# Altium PCB PCB SOM AM625.PcbDoc (part 3 of 6) (continued)
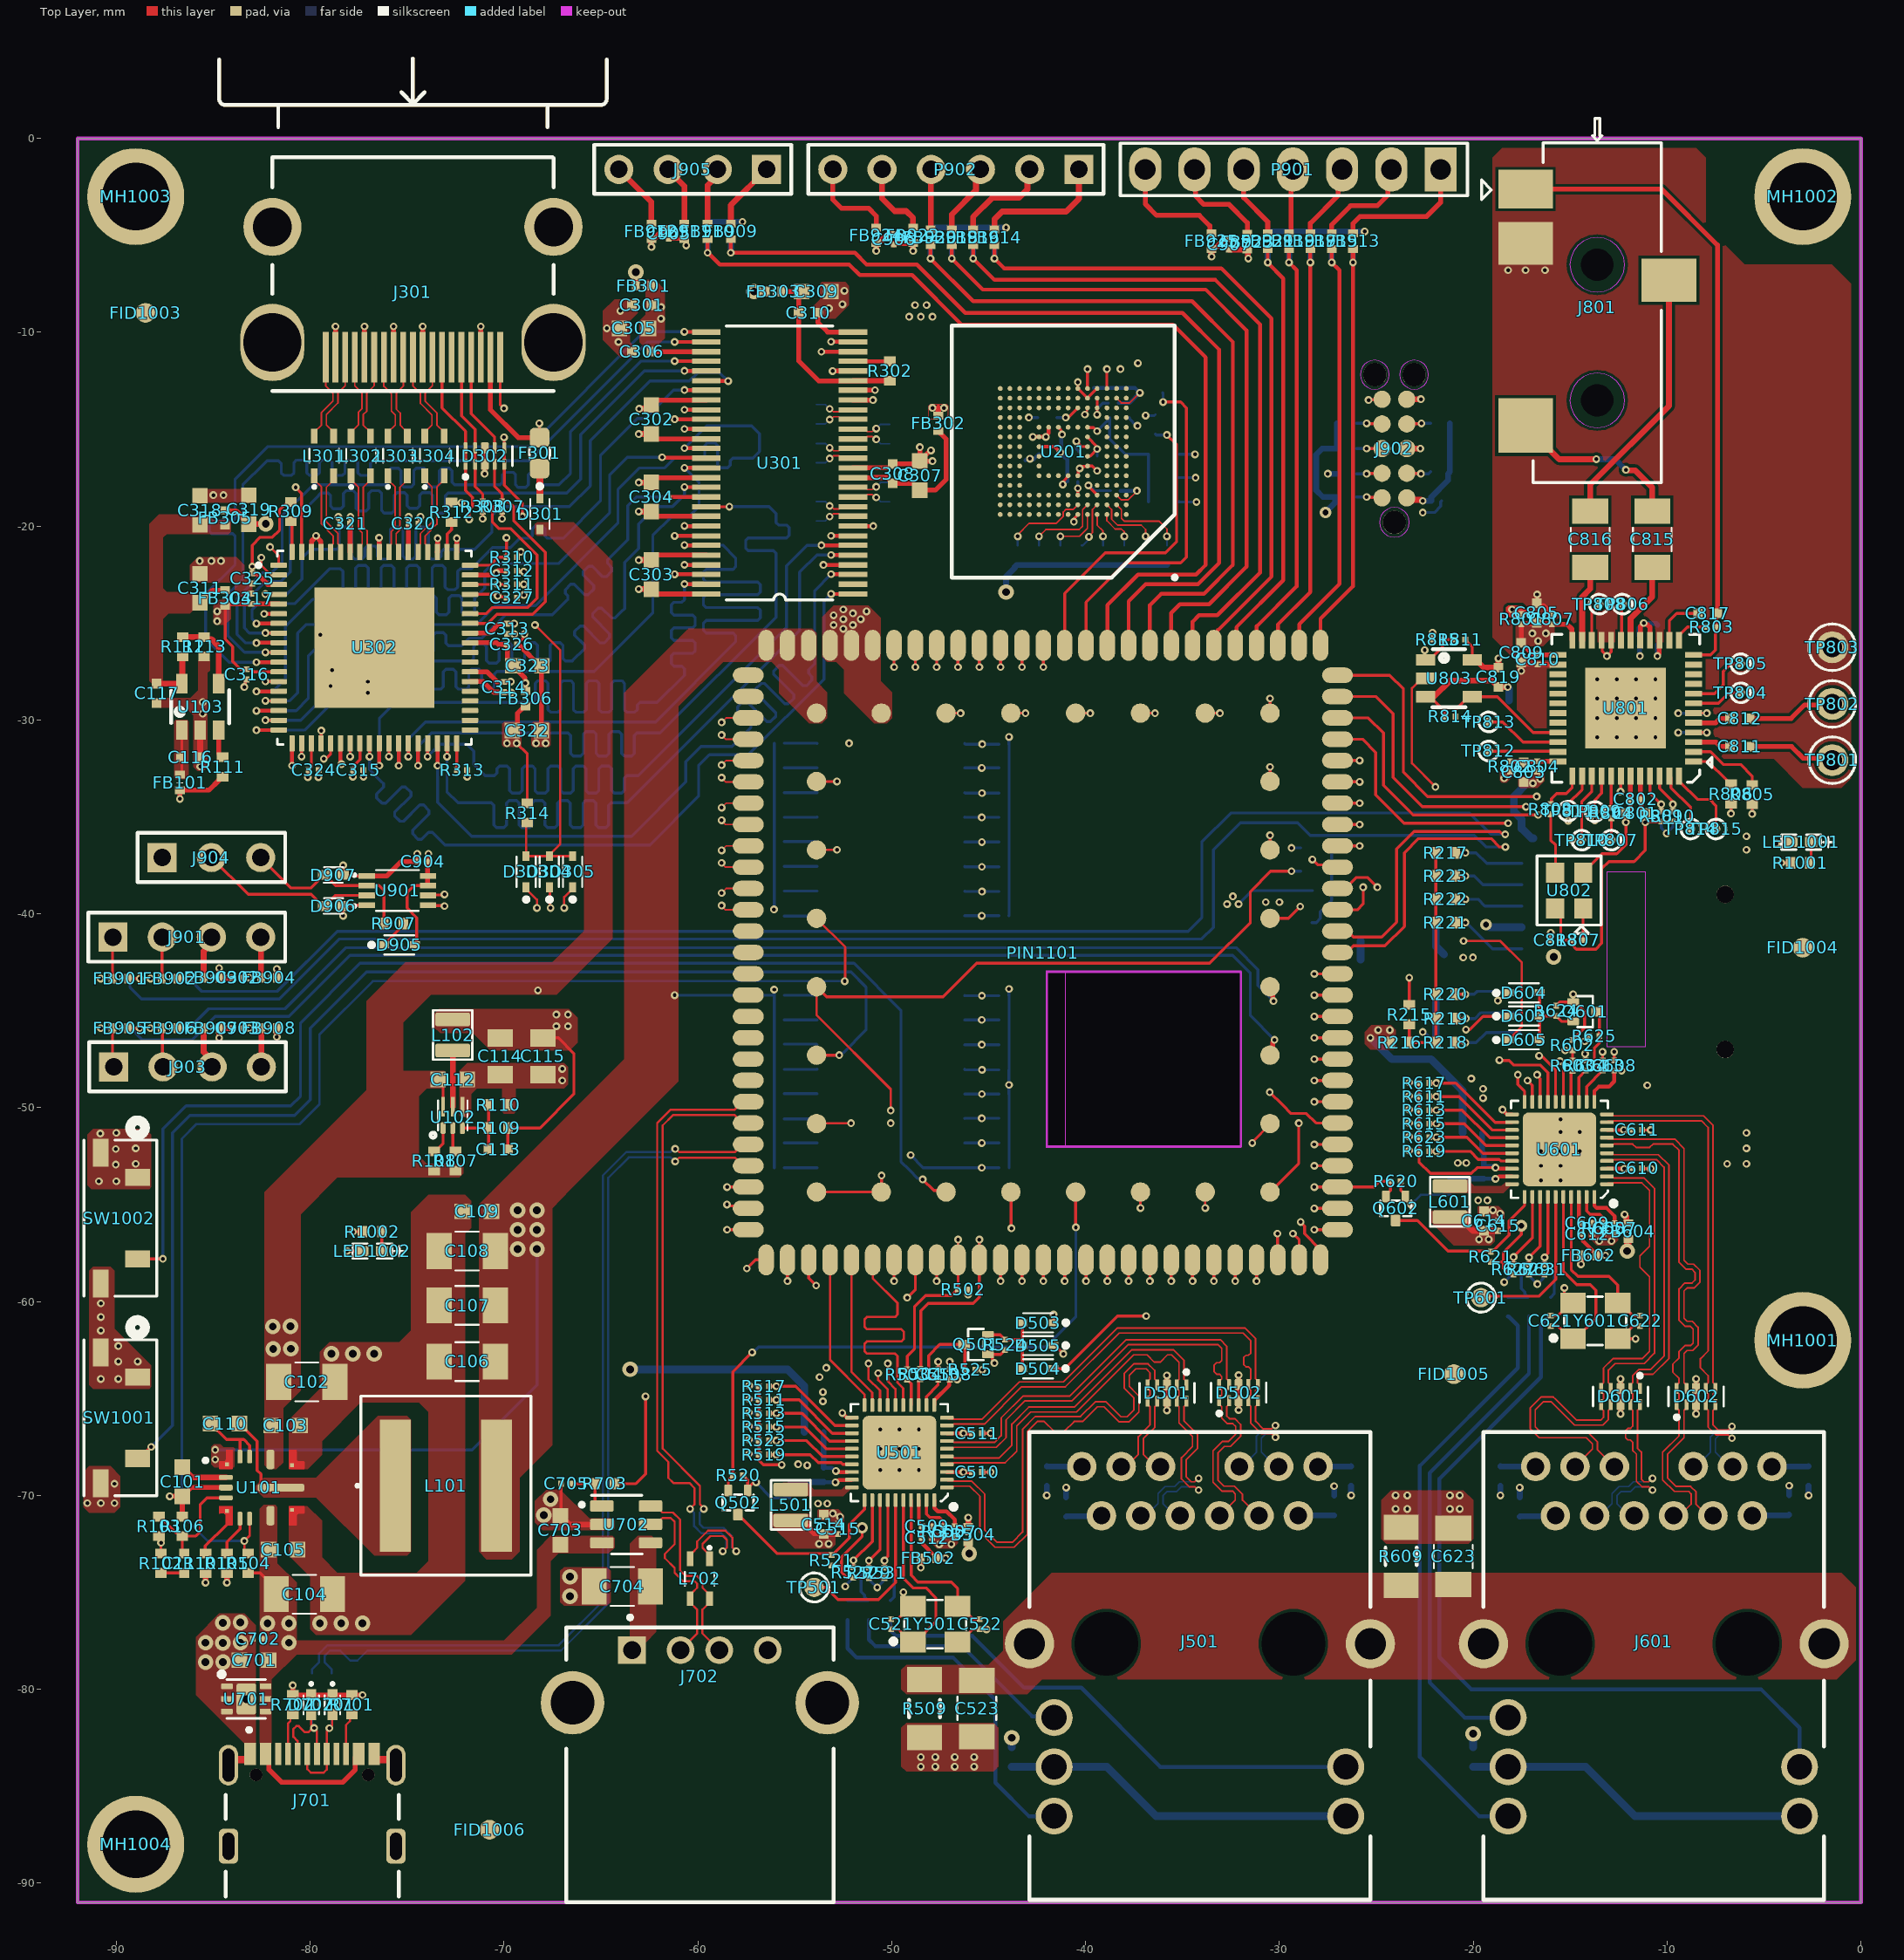
[diagram p0: Top Layer view]
## Nets (pads, with @x,y where several pads share a name; then routed paths per layer and width w, separated by ;. In a path a pad name is that pad's centre, name@x,y a point inside that pad or via, vN(x,y) a via of type N, cw(c..) or ccw(c..) an arc to the next point about the centre after c; other vN are vias at no path point) (continued)
  Top Layer w0.2: v1(-53.521,-22.004) U301.4@-52,-22.004 ; U301.8@-52,-19.997 v1(-50.953,-19.997) v1@-50.95,-20 ; U201.H10@-42.4,-15.9 -41.6,-15.9 v1(-41.3,-16.2)
  Top Layer w0.25: v1(-87.25,-70.05) C101.2@-86.6,-70.05 ; R106.1@-86.6,-71.1 C101.2@-86.6,-70.05 ; U101.3@-84.35,-69.6 -86.15,-69.6 C101.2@-86.6,-70.05 ; v1(-80.9,-79.8) R702.1@-80.9,-80.3 D702.1@-79.95,-80.3 D701.1@-78.85,-80.3 R701.1@-77.85,-80.3 v1(-77.3,-80.3) ; U302.70@-79.939,-21.334 -79.929,-21.324 -79.929,-20.77 v1@-79.7,-20.541 ; v1(-79.7,-20.5) v1@-79.7,-20.541 ; U302.69@-79.439,-21.334 -79.449,-21.324 -79.449,-20.791 v1@-79.7,-20.541 ; J301.2@-78.7,-11.285 v1(-78.7,-9.7) ; J301.5@-77.2,-11.285 v1(-77.2,-9.7) ; U901.1@-77.076,-38.05 -76.05,-38.05 -75.3,-37.3 C904.2@-74.465,-37.3 -74.465,-36.922 v1(-74.48,-36.907) ; v1(-76.45,-20.6) -76.445,-20.605 -76.445,-21.329 U302.63@-76.439,-21.334 ; J301.8@-75.7,-11.285 v1(-75.7,-9.7) ; J301.11@-74.2,-11.285 v1(-74.2,-9.7) ; U302.57@-73.439,-21.334 -73.432,-21.327 -73.432,-20.632 v1(-73.425,-20.625) ; U302.55@-72.439,-21.334 v1(-72.439,-20.627) ; U302.43@-71.754,-27.519 -70.881,-27.519 -70.365,-28.035 C314.2@-69.9,-28.035 ; J301.17@-71.2,-11.285 v1(-71.2,-9.7) ; v1(-71,-17.3) -70.995,-17.295 -70.995,-16.807 D302.3@-70.989,-16.802 D302.8@-70.989,-15.967 ; C314.2@-70,-28.035 -69.995,-28.03 -69.655,-28.03 v1(-69.65,-28.025) ; C313.2@-69.864,-25.579 C313.2@-69.85,-25.565 ; C326.2@-69.335,-26.1 -69.31,-26.125 -69.225,-26.125 -68.075,-27.275 C322.2@-68.075,-30.55 ; C303.2@-62.4,-21.75 -62.146,-21.496 U301.52@-59.569,-21.496 ; C304.2@-62.4,-17.75 -62.158,-17.508 U301.44@-59.569,-17.508 ; C302.2@-62.4,-13.75 -62.145,-13.495 U301.36@-59.569,-13.495 ; C310.2@-53.8,-9 -53.8,-9.5 -53.31,-9.99 U301.28@-52,-9.99 ; v1(-53.05,-12) -53.048,-11.998 -52.002,-11.998 U301.24@-52,-11.996 ; U301.14@-52,-17 -50.156,-17 C308.2@-49.95,-16.794 -48.7,-16.794 C307.2@-48.55,-16.644 ; U301.21@-52,-13.495 v1(-50.97,-13.495) ; U301.22@-52,-12.987 v1(-50.863,-12.987) ; v1(-48.55,-15.925) C307.2@-48.55,-16.644 ; v1(-47.975,-16.1) -48.006,-16.1 C307.2@-48.55,-16.644 ; v1(-47.9,-16.65) -48.544,-16.65 C307.2@-48.55,-16.644 ; v1(-35.8,-65.618) D501.8@-35.8,-65.135 D501.3@-35.8,-64.3 v1(-35.8,-63.817) ; v1(-32.1,-65.6) D502.3@-32.1,-65.117 D502.8@-32.1,-64.283 v1(-32.1,-63.8) v1@-32.1,-63.75 ; v1(-12.4,-65.8) D601.8@-12.4,-65.317 D601.3@-12.4,-64.482 v1(-12.4,-64) v1@-12.4,-63.95 ; v1(-12.125,-35.275) C801.2@-12.125,-34.8 -11.89,-34.565 C802.2@-11.89,-34.1 -11.886,-34.096 -11.886,-32.898 U801.43@-11.881,-32.894 ; v1(-8.5,-65.8) D602.3@-8.5,-65.317 D602.8@-8.5,-64.482 v1(-8.5,-64) v1@-8.5,-63.95
  Top Layer w0.3: C116.2@-85.675,-31.925 U103.2@-85.675,-30.525 ; v1(-84.3,-74.5) R105.1@-84.3,-74 ; C903.2@-83.5,-45.9 v1(-83.15,-45.9) ; C902.2@-83.5,-43.3 v1(-83.15,-43.3) ; v1(-81.725,-46.35) FB908.2@-81.725,-45.9 ; FB904.2@-81.725,-43.3 v1(-81.725,-42.85) ; C703.2@-67.1,-71.05 -66.65,-71.5 U702.2@-64.955,-71.5 ; v1(-63.05,-21.75) C303.2@-62.4,-21.75 ; v1(-63.05,-17.75) C304.2@-62.4,-17.75 ; v1(-63.025,-13.95) -63.006,-13.931 -62.581,-13.931 C302.2@-62.4,-13.75 ; v1(-62.4,-5.6) FB912.2@-62.4,-5.2 -62.35,-5.15 -62.226,-5.15 -61.711,-4.635 C905.2@-61.5,-4.635 ; v1(-50.8,-5.8) FB924.2@-50.8,-5.4 -50.75,-5.35 -50.623,-5.35 -50.208,-4.935 C906.2@-49.9,-4.935 ; v1(-33.5,-6.1) FB925.2@-33.5,-5.7 -33.45,-5.65 -33.29,-5.65 -32.84,-5.2 C907.2@-32.6,-5.2 ; J902.3@-23.43,-16 v1(-22.725,-16) ; J902.5@-23.43,-13.46 -23.425,-13.455 -22.705,-13.455 v1(-22.7,-13.45) ; U803.3@-22.45,-28.8 -22.025,-28.8 -21.2,-27.975 -19.025,-27.975 C819.2@-18.7,-28.3 v1(-18.225,-28.3)
  Top Layer w0.4: J701.S1@-84.22,-83.92 -84.22,-83.91 -83.943,-83.632 -83.2,-83.632 -83.1,-83.532 J701.B12@-83.1,-83.345 ; J701.B1@-76.7,-83.345 -76.7,-83.532 -76.6,-83.632 -75.857,-83.632 -75.58,-83.91 J701.S2@-75.58,-83.92
  Bottom Layer w0.15: v1(-90.81,-43.34) D901.1@-90.3,-43.34 ; v1(-90.8,-45.9) D903.1@-90.3,-45.9 ; v1@-88.285,-43.34 v1(-88.24,-43.34) D902.1@-87.75,-43.34 ; v1(-88.25,-45.9) D904.1@-87.75,-45.9 ; v1(-57.365,-67.86) -57.353,-67.873 -56.878,-67.873 R518.1@-56.86,-67.89 ; v1(-57.365,-67.135) -57.353,-67.148 -56.878,-67.148 R522.1@-56.86,-67.165 ; v1(-57.365,-66.435) -57.353,-66.448 -56.878,-66.448 R514.1@-56.86,-66.465 ; v1(-57.365,-65.735) -57.353,-65.748 -56.878,-65.748 R512.1@-56.86,-65.765 ; v1(-57.365,-65.035) -57.353,-65.048 -56.878,-65.048 R510.1@-56.86,-65.065 ; v1(-57.36,-64.34) -57.348,-64.353 -56.872,-64.353 R516.1@-56.855,-64.37 ; v1(-52.4,-74.7) -52.4,-74.665 -51.985,-74.25 R526.1@-51.975,-74.25 ; R528.1@-51.175,-74.268 -51.1,-74.343 -51.1,-74.4 v1(-50.75,-74.75) -50.45,-74.45 -50.45,-74.343 R530.1@-50.375,-74.268 ; v1(-43.95,-43.875) -43.947,-43.878 -43.947,-44.222 R425.1@-43.945,-44.225 R426.1@-43.945,-45.475 R427.1@-43.945,-46.75 R428.1@-43.945,-48.05 -43.947,-48.053 -43.947,-48.822 v1(-43.95,-48.825) -43.947,-48.828 -43.947,-49.297 R429.1@-43.945,-49.3 R430.1@-43.945,-50.55 R431.1@-43.945,-51.825 R432.1@-43.945,-53.1 ; v1(-43.95,-30.875) -43.947,-30.878 -43.947,-31.247 R417.1@-43.945,-31.25 R418.1@-43.945,-32.475 R419.1@-43.945,-33.775 R420.1@-43.945,-35.025 R421.1@-43.945,-36.3 R422.1@-43.945,-37.575 R423.1@-43.945,-38.85 R424.1@-43.945,-40.1 R424.1@-43.947,-40.103 ; v1(-42.925,-14.4) R212.1@-42.475,-14.4 ; v1(-41.175,-17.85) -41.127,-17.802 -41.042,-17.802 C210.2@-40.94,-17.7 ; v1(-39.852,-17.902) -39.798,-17.902 -39.525,-18.175 C212.2@-38.715,-18.175 ; C201.2@-39.4,-16.385 v1(-39.4,-16.025) ; v1(-23.305,-52.22) -23.293,-52.232 -22.818,-52.232 R618.1@-22.8,-52.25 ; v1(-23.305,-51.495) -23.293,-51.507 -22.818,-51.507 R622.1@-22.8,-51.525 ; v1(-23.305,-50.795) -23.293,-50.808 -22.818,-50.808 R614.1@-22.8,-50.825 ; v1(-23.305,-50.095) -23.293,-50.107 -22.818,-50.107 R612.1@-22.8,-50.125 ; v1(-23.305,-49.395) -23.293,-49.408 -22.818,-49.408 R610.1@-22.8,-49.425 ; v1(-23.3,-48.7) -23.287,-48.712 -22.812,-48.712 R616.1@-22.795,-48.73 ; v1(-22.6,-46.1) -22.552,-46.148 -22.477,-46.148 -21.975,-46.65 D207.1@-21.925,-46.65 ; v1(-22.6,-19.3) -22,-19.3 -21.677,-18.977 -21.677,-18.742 C901.2@-21.635,-18.7 ; D210.1@-21.925,-40.45 D206.1@-21.925,-36.85 ; v1(-18.4,-59) -18.075,-58.675 -17.99,-58.675 R626.1@-17.92,-58.605 ; R628.1@-17.12,-58.623 -17.045,-58.698 -17.045,-58.755 v1(-16.695,-59.105) -16.395,-58.805 -16.395,-58.698 R630.1@-16.32,-58.623 ; R812.1@-10.3,-35.24 -10.3,-35.575 v1(-10.025,-35.85) -9.702,-35.527 -9.702,-35.242 R813.1@-9.7,-35.24
  Bottom Layer w0.2: C205.2@-43.1,-16.6 -43.055,-16.555 -42.679,-16.555 C203.2@-42.407,-16.284 ; v1(-41.215,-15.271) -41.253,-15.309 -41.253,-16.153 v1(-41.3,-16.2) -41.3,-16.25 -41.15,-16.4 -41.115,-16.4 -40.94,-16.575 C202.2@-40.94,-17.025 C210.2@-40.94,-17.7 ; C206.2@-39.575,-12.865 C207.2@-38.9,-12.865 C209.2@-38.15,-12.865 -37.46,-12.865 v1(-37.2,-13.125) -37.725,-13.65 C208.2@-38.295,-13.65
  Bottom Layer w0.3: D909.1@-59.5,-4.3 D908.1@-58.3,-4.3 v1(-57.7,-4.3) ; D913.1@-48,-4.6 D912.1@-46.9,-4.6 D911.1@-45.8,-4.6 D910.1@-44.7,-4.6 v1(-44.1,-4.6) ; v1(-42,-70) C516.2@-42,-69.5 ; C517.2@-41,-70.1 v1(-41,-69.6) ; D918.1@-30.6,-4.8 D917.1@-29.5,-4.8 D916.1@-28.4,-4.8 D915.1@-27.3,-4.8 D914.1@-26.2,-4.8 v1(-25.6,-4.8) ; v1(-27.5,-17.3) R906.1@-27.03,-17.3 ; C518.2@-27.175,-70.025 v1(-27.175,-69.525) ; v1(-26.3,-70) C519.2@-26.3,-69.5 ; v1(-18.6,-70) C616.2@-18.6,-69.5 ; C617.2@-17.6,-70.1 v1(-17.6,-69.6) ; C618.2@-3.7,-70 v1(-3.7,-69.5) ; v1(-2.7,-70) C619.2@-2.7,-69.5
  Bottom Layer w0.4: C520.2@-43.805,-82.995 v2(-43.805,-82.505) ; D207.1@-21.925,-46.65 D209.1@-21.925,-44.15 ; D210.1@-21.925,-40.45 -21.925,-41.675 C215.2@-21.5,-42.1 ; C620.2@-20,-83 v2(-20,-82.3) ; v3(-19.345,-40.557) -19.291,-40.557 -19.148,-40.7 J201.6@-17.5,-40.7 ; v1(-18.225,-28.3) -18.15,-28.375 FB801.2@-18.15,-29 ; v1(-16.922,-33.269) -17.219,-33.269 -17.9,-33.95 -17.9,-34.725 -17.5,-35.125 -17.5,-35.6 -17,-36.1 J201.10@-16.9,-36.1
  other v1: -48.5,-84 -47.75,-84 -46.75,-84 -45.75,-84 -48.5,-83.5 -47.75,-83.5 -46.75,-83.5 -45.75,-83.5 -47.55,-72.525 -46.925,-72.525 -52.665,-71.11 -53.04,-70.935 -24,-70.7 -23.4,-70.7 -21.2,-70.7 -20.7,-70.7 -53.8,-70.425 -53.325,-70.425 -91.5,-70.4 -90.8,-70.4 -90.1,-70.4 -24,-70 -23.4,-70 -21.2,-70 -20.7,-70 -90.1,-69.4 -50.6,-68.7 -49.6,-68.7 -48.6,-68.7 -54.36,-68.454 -54.825,-68.397 -50.6,-67.6 -49.6,-67.6 -48.6,-67.6 -50.6,-66.6 -49.6,-66.6 -48.6,-66.6 -53.55,-65.15 -53.549,-64.673 -90.8,-64 -89.9,-64 -89.9,-63.1 -88.9,-63.1 -89.9,-62.3 -90.8,-61.5 -90.8,-60.8 -90.8,-60.1 -13.495,-56.88 -12.87,-56.88 -18.61,-55.465 -18.985,-55.29 -19.745,-54.78 -19.27,-54.78 -90.9,-53.8 -90,-53.8 -16.5,-53.75 -15.5,-53.75 -16.5,-53 -15.5,-53 -90.031,-52.934 -89,-52.9 -6.9,-52.9 -5.9,-52.9 -20.8,-52.854 -20.356,-52.854 -16.5,-52.25 -15.5,-52.25 -14.5,-52.25 -90.031,-52.134 -89,-52.1 -5.9,-52.1 -90.831,-51.334 -90,-51.3 -5.9,-51.3 -15.5,-51.25 -14.5,-51.25 -15.5,-50.6 -19.495,-49.505 -19.494,-49.028 -67,-48.6 -67,-48 -20.517,-42.254 -20.014,-42.251 -30.7,-39.4 -30,-39.4 -5.9,-36.7 -4.35,-36.375 -5.9,-36 -16.55,-33.039 -85.675,-32.4 -68.35,-31.2 -67.85,-31.2 -85.55,-29.675 -85.55,-29.075 -77.025,-28.6 -78.95,-28.25 -77.025,-28.025 -78.875,-27.425 -79.475,-25.6 -52.5,-25.3 -53,-25.1 -52,-25.1 -52.5,-24.8 -51.6,-24.8 -53,-24.6 -52,-24.5 -51.3,-24.4 -52.5,-24.3 -85.7,-21.8 -85.1,-21.8 -84.6,-21.8 -69.139,-21.324 -85,-18.4 -84.475,-18.4 -42.867,-16.522 -64.1,-10.5 -64.7,-9.8 -64,-8.9 -53.243,-8.761 -52.543,-8.561 -52.443,-7.861
  other v2: -83.3,-80.519 -85.4,-78.6 -84.5,-78.6 -85.4,-77.6 -84.508,-77.613 -83.6,-77.6 -84.508,-76.575 -79.5,-76.6 -78.4,-76.6 -77.3,-76.6 -83.6,-76.562 -66.6,-75.2 -66.6,-74.2 -67.95,-71.025 -67.6,-70.2 -78.9,-62.7 -77.8,-62.7 -76.7,-62.7
GND_E: C523.2 C623.2 J501.18 J501.19 J601.18 J601.19 R509.2 R609.2
GPIO1: TP812.1 U801.35 | length 3.6
  Top Layer w0.15: TP812.1@-19.2,-31.6 -19.178,-31.622 -15.653,-31.622 U801.35@-15.631,-31.643
GPIO2: TP813.1 U801.34 | length 3.9
  Top Layer w0.15: TP813.1@-19.125,-30.1 -18.475,-30.1 -17.431,-31.144 U801.34@-15.631,-31.144
GPIO_AUD_RSTn: PIN1101.130 R811.1 R815.2 U803.1 | length 39.4
  Top Layer w0.122: v1(-22.5,-26.4) -22.5,-26.85 U803.1@-22.45,-26.9
  Top Layer w0.15: PIN1101.130@-30.485,-54.35 -29,-52.865 v1(-29,-50.8) ; U803.1@-22.45,-26.9 -22.25,-26.9 -21.575,-26.225 R815.2@-21.575,-25.85 R811.1@-20.94,-25.85
  Layer 4 w0.122: v1(-29,-50.8) -27.9,-50.8 -27.4,-50.3 -27.4,-39.4 -27.8,-39 -29.1,-39 -29.9,-38.2 -29.9,-33.9 -29.4,-33.4 -29.4,-29.9 -28.9,-29.4 -27.4,-29.4 -24.4,-26.4 v1(-22.5,-26.4)
HDMI_CEC: D302.1 D302.10 J301.13 U302.71 | length 22.2
  Top Layer w0.15: v1(-80.75,-18) -80.439,-18.311 U302.71@-80.439,-21.334 ; J301.13@-73.2,-11.285 -73.2,-13.9 -71.99,-15.11 D302.10@-71.99,-15.967 D302.1@-71.99,-16.802 -71.99,-18.16 -71.625,-18.525 -71.625,-18.966 -71.8,-19.141 v1(-71.8,-19.65)
  Layer 4 w0.122: v1(-80.75,-18) -79.95,-18.8 -73.2,-18.8 -72.35,-19.65 v1(-71.8,-19.65)
HDMI_CLKOUT: U301.26 U302.22 | length 52.4
  Top Layer w0.15: U302.22@-79.439,-31.204 -79.432,-31.197 -79.432,-30.557 v1(-79.425,-30.55)
  Top Layer w0.2: v1(-53.63,-11.007) -53.628,-11.006 U301.26@-52,-11.006 U301.26@-51.999,-11.004
  Layer 4 w0.122: v1(-79.425,-30.55) -78.825,-31.15 -78.825,-33.375 -78.275,-33.925 -61.2,-33.925 -60.125,-32.85 -60.125,-27.45 -57.363,-24.687 -55.425,-24.687 -53.737,-23 -52.9,-23 -52.35,-22.45 -52.35,-11.6 -52.943,-11.007 v1(-53.63,-11.007)
HDMI_D0: U301.27 U302.13 | length 43.5
  Top Layer w0.15: v1(-82.309,-28.014) -82.304,-28.019 U302.13@-81.624,-28.019
  Top Layer w0.2: v1(-53.123,-10.49) -53.116,-10.498 U301.27@-52,-10.498
  Layer 4 w0.122: v1(-82.309,-28.014) -82.611,-28.014 -83.275,-27.35 -83.275,-24.675 -82.675,-24.075 -81.5,-24.075 -77.525,-20.1 -68.4,-20.1 -66.225,-17.925 -66.225,-15 -63.725,-12.5 -59.35,-12.5 -57.34,-10.49 v1(-53.123,-10.49)
HDMI_D1: U301.29 U302.11 | length 43
  Top Layer w0.2: v1(-82.775,-27.025) -82.772,-27.022 -81.627,-27.022 U302.11@-81.624,-27.019 ; v1(-60.7,-9.975) -60.693,-9.982 -59.577,-9.982 U301.29@-59.569,-9.99
  Bottom Layer w0.15: v1(-82.775,-27.025) -84.175,-27.025 -85.4,-25.8 -85.4,-23.5 -83.875,-21.975 -83.875,-20.589 -83.875,-20.514 -84.007,-20.382 -85.088,-20.382 -85.22,-20.25 -85.22,-19.856 -85.088,-19.724 -84.007,-19.724 -83.875,-19.592 -83.875,-19.198 -83.875,-17.575 -82.2,-15.9 -68.7,-15.9 -62.775,-9.975 v1(-60.7,-9.975)
HDMI_D2: U301.30 U302.10 | length 43.1
  Top Layer w0.15: v1(-82.309,-26.514) -82.304,-26.519 U302.10@-81.624,-26.519 U302.10@-81.619,-26.524
  Top Layer w0.2: v1(-61.2,-10.5) -61.199,-10.499 -59.57,-10.499 U301.30@-59.569,-10.498
  Bottom Layer w0.15: v1(-82.309,-26.514) -83.386,-26.514 -84.25,-25.65 -84.25,-23.525 -83.475,-22.75 -83.475,-17.875 -82.361,-16.761 -82.225,-16.625 -81.628,-16.625 -81.497,-16.757 -81.497,-17.252 -81.365,-17.383 -80.97,-17.383 -80.839,-17.252 -80.839,-16.728 -80.707,-16.596 -80.312,-16.596 -80.181,-16.728 -80.181,-17.252 -80.049,-17.383 -79.654,-17.383 -79.523,-17.252 -79.523,-16.728 -79.391,-16.596 -78.996,-16.596 -78.865,-16.728 -78.865,-17.252 -78.733,-17.383 -78.338,-17.383 -78.207,-17.252 -78.207,-16.728 -78.075,-16.596 -77.68,-16.596 -77.549,-16.728 -77.549,-17.252 -77.417,-17.383 -77.022,-17.383 -76.891,-17.252 -76.891,-16.757 -76.759,-16.625 -75.387,-16.625 -68.725,-16.625 -62.6,-10.5 v1(-61.2,-10.5)
HDMI_D3: U301.32 U302.9 | length 43
  Top Layer w0.2: v1(-82.775,-26.025) -82.772,-26.022 -81.627,-26.022 U302.9@-81.624,-26.019 ; v1(-61.199,-11.489) -61.198,-11.488 U301.32@-59.569,-11.488 U301.32@-59.568,-11.487
  Bottom Layer w0.15: v1(-82.775,-26.025) -83.325,-26.025 -83.775,-25.575 -83.775,-23.725 -82.45,-22.4 -81.975,-22.4 -81.45,-21.875 -81.45,-19.475 -79.85,-17.875 -76.176,-17.875 -76.101,-17.875 -75.97,-17.743 -75.97,-17.148 -75.838,-17.016 -75.443,-17.016 -75.312,-17.148 -75.312,-17.843 -75.18,-17.975 -74.785,-17.975 -74.654,-17.843 -74.654,-17.148 -74.522,-17.016 -74.127,-17.016 -73.996,-17.148 -73.996,-17.843 -73.864,-17.975 -73.469,-17.975 -73.338,-17.843 -73.338,-17.148 -73.206,-17.016 -72.811,-17.016 -72.68,-17.148 -72.68,-17.743 -72.548,-17.875 -71.269,-17.875 -70.275,-17.875 -70.2,-17.875 -70.068,-17.743 -70.068,-17.356 -69.937,-17.224 -69.542,-17.224 -69.41,-17.356 -69.41,-17.868 -69.279,-18 -68.884,-18 -68.752,-17.868 -68.752,-17.356 -68.621,-17.224 -68.226,-17.224 -68.094,-17.356 -68.094,-17.743 -67.963,-17.875 -67.472,-17.875 -67.175,-17.875 -66.575,-17.275 -66.575,-15.125 -62.939,-11.489 v1(-61.199,-11.489)
HDMI_D4: U301.33 U302.8 | length 43
  Top Layer w0.15: v1(-82.309,-25.514) -82.304,-25.519 U302.8@-81.624,-25.519 U302.8@-81.619,-25.524
  Top Layer w0.2: v1(-60.693,-11.989) -60.685,-11.996 U301.33@-59.569,-11.996 U301.33@-59.562,-12.003
  Bottom Layer w0.15: v1(-82.309,-25.514) -83.136,-25.514 -83.4,-25.25 -83.4,-23.95 -82.3,-22.85 -81.5,-22.85 -81.025,-22.375 -81.025,-19.875 -79.683,-18.533 -79.45,-18.3 -79.082,-18.3 -78.95,-18.432 -78.95,-18.966 -78.819,-19.098 -78.424,-19.098 -78.292,-18.966 -78.292,-18.307 -78.161,-18.175 -77.766,-18.175 -77.634,-18.307 -77.634,-19.083 -77.503,-19.215 -77.108,-19.215 -76.976,-19.083 -76.976,-18.307 -76.845,-18.175 -76.45,-18.175 -76.318,-18.307 -76.318,-19.204 -76.187,-19.336 -75.792,-19.336 -75.66,-19.204 -75.66,-18.407 -75.529,-18.275 -75.134,-18.275 -75.002,-18.407 -75.002,-18.957 -74.871,-19.089 -74.476,-19.089 -74.344,-18.957 -74.344,-18.407 -74.213,-18.275 -73.818,-18.275 -73.686,-18.407 -73.686,-19.204 -73.555,-19.336 -73.16,-19.336 -73.028,-19.204 -73.028,-18.432 -72.897,-18.3 -72.555,-18.3 -66.775,-18.3 -66.05,-17.575 -66.05,-15.275 -62.764,-11.989 v1(-60.693,-11.989)
HDMI_D5: U301.34 U302.4 | length 43
  Top Layer w0.15: v1(-82.314,-23.509) -82.309,-23.514 -81.629,-23.514 U302.4@-81.624,-23.519
  Top Layer w0.2: U301.34@-59.562,-12.511 v1@-58.446,-12.511
  Bottom Layer w0.15: v1(-82.314,-23.509) -81.209,-23.509 -80.425,-22.725 -80.425,-21.65 -79.975,-21.2 -78.71,-21.2 -78.635,-21.2 -78.504,-21.068 -78.504,-20.176 -78.372,-20.044 -77.977,-20.044 -77.846,-20.176 -77.846,-21.568 -77.714,-21.7 -77.319,-21.7 -77.188,-21.568 -77.188,-21.157 -77.056,-21.025 -76.661,-21.025 -76.53,-21.157 -76.53,-21.568 -76.398,-21.7 -76.003,-21.7 -75.872,-21.568 -75.872,-20.176 -75.74,-20.044 -75.345,-20.044 -75.214,-20.176 -75.214,-21.568 -75.082,-21.7 -74.687,-21.7 -74.556,-21.568 -74.556,-20.176 -74.424,-20.044 -74.029,-20.044 -73.898,-20.176 -73.898,-21.568 -73.766,-21.7 -73.371,-21.7 -73.24,-21.568 -73.24,-21.332 -73.108,-21.2 -72.954,-21.2 -71.525,-21.2 -70.625,-20.3 -70.625,-19.45 -70.175,-19 -66.625,-19 -65.55,-17.925 -65.55,-15.6 -62.469,-12.519 -60.444,-12.519 -60,-12.075 -58.882,-12.075 v1(-58.438,-12.519)
HDMI_D6: U301.35 U302.7 | length 43.1
  Top Layer w0.2: v1(-82.775,-25.025) -82.772,-25.022 -81.627,-25.022 U302.7@-81.624,-25.019 ; v1(-60.693,-12.979) -60.685,-12.987 U301.35@-59.569,-12.987 U301.35@-59.562,-12.994
  Bottom Layer w0.15: v1(-82.775,-25.025) -83,-24.8 -83,-24.3 -82.7,-24 -80.8,-24 -79.18,-22.38 -79,-22.2 -78.447,-22.2 -78.315,-22.332 -78.315,-23.147 -78.184,-23.278 -77.789,-23.278 -77.657,-23.147 -77.657,-22.158 -77.526,-22.026 -77.131,-22.026 -76.999,-22.158 -76.999,-23.147 -76.868,-23.278 -76.473,-23.278 -76.341,-23.147 -76.341,-22.158 -76.21,-22.026 -75.815,-22.026 -75.683,-22.158 -75.683,-23.147 -75.552,-23.278 -75.157,-23.278 -75.025,-23.147 -75.025,-22.158 -74.894,-22.026 -74.499,-22.026 -74.367,-22.158 -74.367,-23.147 -74.236,-23.278 -73.841,-23.278 -73.709,-23.147 -73.709,-22.158 -73.578,-22.026 -73.183,-22.026 -73.051,-22.158 -73.051,-23.147 -72.92,-23.278 -72.525,-23.278 -72.393,-23.147 -72.393,-22.332 -72.262,-22.2 -71.772,-22.2 -71.7,-22.2 -70.6,-21.1 -69.675,-21.1 -69.2,-20.625 -68.75,-20.625 -68.675,-20.625 -68.543,-20.493 -68.543,-20.13 -68.412,-19.998 -68.017,-19.998 -67.885,-20.13 -67.885,-20.493 -67.754,-20.625 -67.2,-20.625 -66.95,-20.625 -65.025,-18.7 -65.025,-16.35 -63.125,-14.45 -62.725,-14.45 -61.254,-12.979 v1(-60.693,-12.979)
HDMI_D7: U301.37 U302.23 | length 43.5
  Top Layer w0.15: v1(-79.3,-32) -79.252,-31.952 -79.152,-31.952 -78.949,-31.749 -78.949,-31.213 U302.23@-78.939,-31.204
  Top Layer w0.2: v1(-60.693,-13.995) -60.685,-14.003 U301.37@-59.569,-14.003 U301.37@-59.562,-14.01
  Layer 4 w0.122: v1(-79.3,-32) -79.3,-32.06 -79.15,-32.21 -79.15,-33.125 -79.45,-33.425 -81.225,-33.425 -81.825,-32.825 -81.825,-26.125 -77.55,-21.85 -76.35,-21.85 -75.659,-21.85 -75.533,-21.976 -75.533,-22.345 -75.407,-22.471 -75.029,-22.471 -74.903,-22.345 -74.903,-21.966 -74.777,-21.84 -74.399,-21.84 -74.273,-21.966 -74.273,-22.345 -74.147,-22.471 -73.769,-22.471 -73.643,-22.345 -73.643,-21.976 -73.517,-21.85 -73,-21.85 -68.45,-21.85 -65.175,-18.575 -65.175,-15.35 -63.25,-13.425 -62.575,-13.425 -62.004,-13.995 v1(-60.693,-13.995)
HDMI_D8: U301.38 U302.20 | length 43.5
  Top Layer w0.15: v1(-80.444,-31.889) -80.439,-31.884 U302.20@-80.439,-31.204 U302.20@-80.434,-31.199
  Top Layer w0.2: v1(-61.199,-14.487) -61.198,-14.485 U301.38@-59.569,-14.485 U301.38@-59.568,-14.484
  Layer 4 w0.122: v1(-80.444,-31.889) -80.444,-32.595 -80.7,-32.85 -81.175,-32.85 -81.425,-32.6 -81.425,-26.7 -78.85,-24.125 -77.05,-24.125 -76.989,-24.125 -76.863,-23.999 -76.863,-23.715 -76.737,-23.589 -76.359,-23.589 -76.233,-23.715 -76.233,-24.551 -76.107,-24.677 -75.729,-24.677 -75.603,-24.551 -75.603,-23.715 -75.477,-23.589 -75.099,-23.589 -74.973,-23.715 -74.973,-24.551 -74.847,-24.677 -74.469,-24.677 -74.343,-24.551 -74.343,-23.715 -74.217,-23.589 -73.839,-23.589 -73.713,-23.715 -73.713,-24.551 -73.587,-24.677 -73.21,-24.677 -73.084,-24.551 -73.084,-24.251 -72.958,-24.125 -72.511,-24.125 -68.625,-24.125 -64.5,-20 -64.5,-15.525 -63.462,-14.487 v1(-61.199,-14.487)
HDMI_D9: U301.39 U302.19 | length 43.5
  Top Layer w0.2: U302.19@-80.939,-31.204 -80.937,-31.207 -80.937,-32.352 v1(-80.934,-32.355) ; v1(-60.693,-14.986) -60.685,-14.993 U301.39@-59.569,-14.993 U301.39@-59.562,-15.001
  Layer 4 w0.122: v1(-80.934,-32.355) -80.934,-27.259 -79.975,-26.3 -77.702,-26.3 -77.641,-26.3 -77.515,-26.174 -77.515,-25.632 -77.389,-25.506 -77.011,-25.506 -76.886,-25.632 -76.886,-26.326 -76.76,-26.452 -76.382,-26.452 -76.256,-26.326 -76.256,-25.632 -76.13,-25.506 -75.752,-25.506 -75.626,-25.632 -75.626,-26.326 -75.5,-26.452 -75.122,-26.452 -74.996,-26.326 -74.996,-25.632 -74.87,-25.506 -74.492,-25.506 -74.366,-25.632 -74.366,-26.326 -74.24,-26.452 -73.862,-26.452 -73.736,-26.326 -73.736,-25.632 -73.61,-25.506 -73.232,-25.506 -73.106,-25.632 -73.106,-26.326 -72.98,-26.452 -72.602,-26.452 -72.476,-26.326 -72.476,-25.632 -72.35,-25.506 -71.972,-25.506 -71.846,-25.632 -71.846,-26.174 -71.72,-26.3 -70.725,-26.3 -68.175,-26.3 -67.55,-25.675 -67.55,-23.975 -63.95,-20.375 -63.95,-16.825 -62.786,-15.661 -62.111,-14.986 v1(-60.693,-14.986)
HDMI_D10: U301.41 U302.15 | length 43
  Top Layer w0.15: v1(-82.309,-29.014) -82.304,-29.019 U302.15@-81.624,-29.019 U302.15@-81.619,-29.024
  Top Layer w0.2: v1(-60.693,-15.977) -60.685,-15.984 U301.41@-59.569,-15.984 U301.41@-59.562,-15.991
  Bottom Layer w0.15: v1(-82.309,-29.014) -81.064,-29.014 -80.65,-28.6 -80.65,-25.525 -80.2,-25.075 -71.4,-25.075 -70.425,-24.1 -68.375,-24.1 -64.125,-19.85 -64.125,-18.125 -63,-17 -61.716,-17 -61.204,-16.488 -59.85,-16.488 -59.775,-16.488 -59.643,-16.357 -59.643,-15.833 -59.512,-15.702 -59.117,-15.702 -58.985,-15.833 -58.985,-16.857 -58.854,-16.988 -58.459,-16.988 -58.327,-16.857 -58.327,-16.62 -58.196,-16.488 -57.468,-16.488 -57.163,-16.488 -56.825,-16.15 -56.825,-15.225 -57.225,-14.825 -59.541,-14.825 v1(-60.693,-15.977)
HDMI_D11: U301.42 U302.14 | length 43
  Top Layer w0.2: v1(-82.775,-28.525) -82.772,-28.522 -81.627,-28.522 U302.14@-81.624,-28.519 ; v1(-61.85,-16.45) -61.829,-16.471 -59.59,-16.471 U301.42@-59.569,-16.492
  Bottom Layer w0.15: v1(-82.775,-28.525) -81.925,-28.525 -81.275,-27.875 -81.275,-25.175 -79.875,-23.775 -79.624,-23.775 -79.549,-23.775 -79.417,-23.643 -79.417,-23.504 -79.286,-23.372 -78.891,-23.372 -78.759,-23.504 -78.759,-24.435 -78.628,-24.567 -78.233,-24.567 -78.101,-24.435 -78.101,-23.71 -77.97,-23.578 -77.575,-23.578 -77.443,-23.71 -77.443,-24.435 -77.312,-24.567 -76.917,-24.567 -76.785,-24.435 -76.785,-23.71 -76.654,-23.578 -76.259,-23.578 -76.127,-23.71 -76.127,-24.435 -75.996,-24.567 -75.601,-24.567 -75.469,-24.435 -75.469,-23.71 -75.338,-23.578 -74.943,-23.578 -74.811,-23.71 -74.811,-24.435 -74.68,-24.567 -74.285,-24.567 -74.153,-24.435 -74.153,-23.71 -74.022,-23.578 -73.627,-23.578 -73.495,-23.71 -73.495,-24.435 -73.364,-24.567 -72.969,-24.567 -72.837,-24.435 -72.837,-23.71 -72.706,-23.578 -72.311,-23.578 -72.179,-23.71 -72.179,-24.435 -72.048,-24.567 -71.653,-24.567 -71.521,-24.435 -71.521,-23.721 -71.197,-23.397 -71,-23.2 -71,-22.35 -70.575,-21.925 -67.175,-21.925 -64.55,-19.3 -64.55,-17.35 -63.65,-16.45 v1(-61.85,-16.45)
HDMI_D12: U301.43 U302.18 | length 43
  Top Layer w0.2: v1(-82.775,-30.525) -82.772,-30.522 -81.627,-30.522 U302.18@-81.624,-30.519 ; v1(-60.693,-16.993) -60.685,-17 U301.43@-59.569,-17 U301.43@-59.562,-17.007
  Bottom Layer w0.15: v1(-82.775,-30.525) -80.3,-30.525 -77.288,-27.513 -77.275,-27.5 -76.555,-27.5 -76.423,-27.632 -76.423,-28.28 -76.292,-28.411 -75.897,-28.411 -75.765,-28.28 -75.765,-27.52 -75.634,-27.389 -75.239,-27.389 -75.107,-27.52 -75.107,-28.28 -74.976,-28.411 -74.581,-28.411 -74.449,-28.28 -74.449,-27.52 -74.318,-27.389 -73.923,-27.389 -73.791,-27.52 -73.791,-28.28 -73.66,-28.411 -73.265,-28.411 -73.133,-28.28 -73.133,-27.52 -73.002,-27.389 -72.607,-27.389 -72.475,-27.52 -72.475,-28.28 -72.344,-28.411 -71.949,-28.411 -71.817,-28.28 -71.817,-27.52 -71.686,-27.389 -71.291,-27.389 -71.159,-27.52 -71.159,-28.28 -71.028,-28.411 -70.633,-28.411 -70.501,-28.28 -70.501,-27.632 -70.37,-27.5 -70.15,-27.5 -65.35,-27.5 -62.325,-24.475 -62.325,-20.488 -61.362,-19.525 -60.5,-19.525 -59.937,-18.962 -59.937,-17.748 v1(-60.693,-16.993)
HDMI_D13: U301.45 U302.17 | length 43
  Top Layer w0.15: v1(-82.309,-30.014) -82.304,-30.019 U302.17@-81.624,-30.019 U302.17@-81.619,-30.024
  Top Layer w0.2: v1(-60.693,-17.983) -60.685,-17.991 U301.45@-59.569,-17.991 U301.45@-59.562,-17.998
  Bottom Layer w0.15: v1(-82.309,-30.014) -80.489,-30.014 -79.475,-29 -79.475,-27.275 -79.15,-26.95 -71.775,-26.95 -71.7,-26.95 -71.568,-26.818 -71.568,-26.207 -71.437,-26.075 -71.042,-26.075 -70.91,-26.207 -70.91,-26.943 -70.779,-27.075 -70.384,-27.075 -70.252,-26.943 -70.252,-26.147 -70.121,-26.015 -69.726,-26.015 -69.594,-26.147 -69.594,-26.943 -69.463,-27.075 -69.068,-27.075 -68.936,-26.943 -68.936,-26.147 -68.805,-26.015 -68.41,-26.015 -68.278,-26.147 -68.278,-26.943 -68.147,-27.075 -67.752,-27.075 -67.62,-26.943 -67.62,-26.147 -67.489,-26.015 -67.094,-26.015 -66.962,-26.147 -66.962,-26.818 -66.831,-26.95 -66.475,-26.95 -66.425,-26.9 -65.9,-26.375 -65.847,-26.322 -65.847,-26.136 -66.359,-25.624 -66.359,-25.437 -66.08,-25.158 -65.894,-25.158 -65.028,-26.024 -64.842,-26.024 -64.563,-25.745 -64.563,-25.559 -65.429,-24.693 -65.429,-24.507 -65.15,-24.228 -64.963,-24.228 -64.451,-24.74 -64.265,-24.74 -63.945,-24.42 -63.776,-24.251 -63.776,-21.874 -63.05,-21.149 -63.05,-19.882 -62.168,-19 -61.312,-19 -60.693,-18.381 v1(-60.693,-17.983)
HDMI_D14: U301.46 U302.16 | length 43
  Top Layer w0.2: v1(-82.775,-29.525) -82.772,-29.522 -81.627,-29.522 U302.16@-81.624,-29.519 ; v1@-61.549,-18.499 U301.46@-59.57,-18.499
  Bottom Layer w0.15: v1(-82.775,-29.525) -80.725,-29.525 -80.1,-28.9 -80.1,-26.7 -79.575,-26.175 -79.124,-26.175 -79.049,-26.175 -78.918,-26.043 -78.918,-25.623 -78.786,-25.491 -78.391,-25.491 -78.26,-25.623 -78.26,-26.443 -78.128,-26.575 -77.733,-26.575 -77.602,-26.443 -77.602,-25.623 -77.47,-25.491 -77.075,-25.491 -76.944,-25.623 -76.944,-26.443 -76.812,-26.575 -76.417,-26.575 -76.286,-26.443 -76.286,-25.623 -76.154,-25.491 -75.759,-25.491 -75.628,-25.623 -75.628,-26.443 -75.496,-26.575 -75.101,-26.575 -74.97,-26.443 -74.97,-25.623 -74.838,-25.491 -74.443,-25.491 -74.312,-25.623 -74.312,-26.443 -74.18,-26.575 -73.785,-26.575 -73.654,-26.443 -73.654,-25.623 -73.522,-25.491 -73.127,-25.491 -72.996,-25.623 -72.996,-26.043 -72.864,-26.175 -72.268,-26.175 -72.175,-26.175 -71.775,-25.775 -71.125,-25.775 -69.925,-24.575 -67.5,-24.575 -66.763,-23.838 -66.709,-23.784 -66.709,-23.598 -66.842,-23.466 -66.842,-23.28 -66.563,-23.001 -66.377,-23.001 -65.842,-23.535 -65.656,-23.535 -65.377,-23.256 -65.377,-23.07 -65.911,-22.535 -65.911,-22.349 -65.632,-22.07 -65.446,-22.07 -64.911,-22.605 -64.725,-22.605 -64.446,-22.326 -64.446,-22.139 -64.662,-21.923 -64.662,-21.737 -64.363,-21.437 -63.625,-20.7 -63.625,-18.95 -63.175,-18.5 v1(-61.55,-18.5)